# KiCad board H3.kicad_pcb (continued)
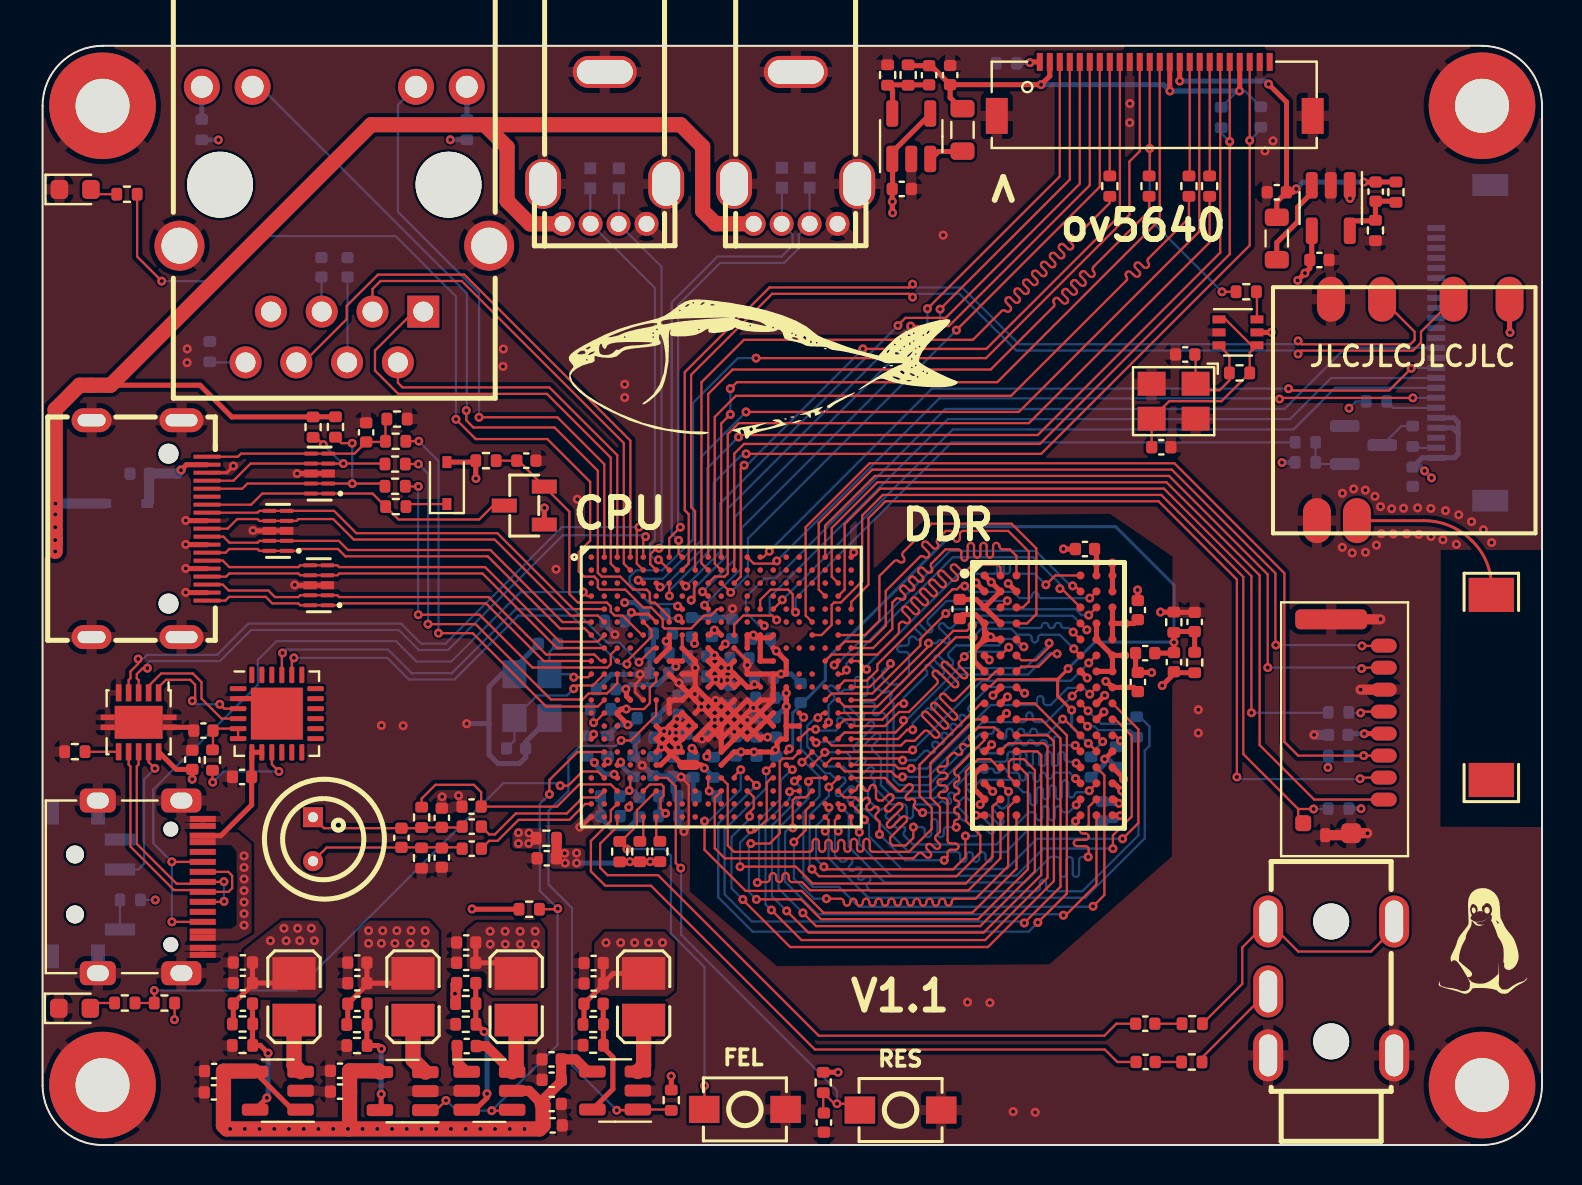
[diagram p0: board, top side]
## Footprints (pads in the part's own frame, mm; a bottom-side part is the same pattern mirrored in y, then rotated) (continued)
SW-SMD_L4.0-W2.9-LS5.0
  rect 1.53x1.36 smd: 1(-2.035,0) 2(2.035,0)
SW-TH_MSK12C02
  round 0.9 hole 0.9 unplated: (-1.43,0) (1.57,0)
  rect 0.6x1.524 smd: 1(-2.18,2.25) 2(0.82,2.25) 3(2.32,2.25)
  rect 1.2x0.7 smd: 4(-3.53,-1.15) 4(-3.53,1.15) 4(3.67,-1.15) 4(3.67,1.15)
TF-SOCKET - short
  oval 1.3x0.7 smd: 1(-3.231,3.518) 2(-3.231,2.418) 3(-3.231,1.318) 4(-3.231,0.218) 5(-3.231,-0.882) 6(-3.231,-1.982) 7(-3.231,-3.082) 8(-3.231,-4.182)
  rrect 0.8x0.8 smd: 9(0.8,4.7)
  rrect 1x1 smd: 10(-1.6,5.2)
  rrect 3.6x1 smd: 10(-0.6,-5.5)
  rrect 0.5x0.7 smd: 10(-0.3,5.3)
typec 12
  round 0.75 hole 0.75 unplated: (-2.634,1.681) (3.146,1.681)
  rrect 1.2x2 hole 0.8x1.1: 0(-4.064,2.211) 0(4.576,2.211)
  rrect 1.2x1.8 hole 0.8x1.1: 0(-4.064,-1.969) 0(4.576,-1.969)
  rect 0.3x1.3 smd: A1(-3.144,3.279) A4(-2.304,3.279) A5(-0.994,3.279) A6(0.006,3.279) A7(0.506,3.279) A8(1.506,3.279) A9(2.806,3.279) A12(3.658,3.279) B1(3.306,3.279) B4(2.496,3.279) B5(2.006,3.279) B6(1.006,3.279) B7(-0.494,3.279) B8(-1.494,3.279) B9(-1.984,3.279) B12(-2.794,3.279)
unnamed
  round 5.334 hole 2.7: 2(0.002,0.012)
unnamed#2
  round 5.334 hole 2.7: 2(-0.02,-0.149)
unnamed#3
  round 5.334 hole 2.7: 2(0.043,0.18)
unnamed#4
  round 5.334 hole 2.7: 2(-0.06,0.091)
USB-A-TH_USB-M-45
  round 1.2 hole 0.8: 1(2.098,3.8) 2(0.699,3.8) 3(-0.698,3.8) 4(-2.098,3.8)
  oval 1.8x2.5 hole 1.4x2.2: 5(-3.081,1.801) 7(3.081,1.801)
  oval 3.2x1.6 hole 2.8x1.2: 6(-0.01,-3.8)
USB-WIFI-ANT
  oval 2.254x1.4 smd: 1(-5.512,-3.598) 2(-5.512,-1.042) 3(-5.512,2.534) 4(-5.512,5.334) 5(5.569,-2.298) 6(5.569,-4.298)
VSON-10-1EP_3x3mm_P0.5mm_EP1.65x2.4mm
  rect 0.64x0.64 smd: (-0.443,0.79) (-0.443,-0.01) (-0.443,-0.81) (0.383,0.79) (0.383,-0.01) (0.383,-0.81)
  rect 0.85x0.28 smd: 1(-1.505,0.99) 2(-1.505,0.49) 3(-1.505,-0.01) 4(-1.505,-0.51) 5(-1.505,-1.01) 6(1.445,-1.01) 7(1.445,-0.51) 8(1.445,-0.01) 9(1.445,0.49) 10(1.445,0.99)
  rect 0.28x0.7 smd: 11(-0.28,1.54) 11(-0.28,-1.56) 11(0.22,1.54) 11(0.22,-1.56)
  rect 1.65x2.4 smd: 11(-0.03,-0.01)
X322512MSB4S
  rect 1.4x1.2 smd: 1(-1.1,-0.875) 2(-1.1,0.875) 2(1.1,-0.875) 3(1.1,0.875)

## Nets
+3V3: 4.7K1.2 C26.2 C27.2 C32.1 C36.1 C45.2 C47.1 C49.1 C68.1 C72.1 C83.1 C87.1 C88.1 D3.2 F2.20 F2.21 F2.24 L1.2 Q2.1 R17.1 R18.1 R19.1 R23.1 R30.2 R32.1 R34.1 R42.1 R43.1 R47.1 R62.1 R71.1 R72.1 U1.G7 U1.G10 U1.G11 U1.G13 U1.G14 U1.G15 U1.H7 U1.H13 U1.H14 U1.J6 U1.J14 U1.J15 U6.10 U9.4 U11.5 U12.1 U12.4 U13.1 U13.4 U14.4
/PER/1.5V: C82.1 C85.1 F1.15 L5.1 R51.1
/PER/2.8V: C84.1 C86.1 F1.2 F1.14 F1.21 L6.1 R54.1 R55.1 R58.1
GND: C1.2 C2.2 C3.1 C4.1 C6.2 C7.1 C8.1 C9.1 C10.1 C11.1 C12.1 C13.1 C14.1 C15.1 C16.1 C17.1 C18.1 C19.1 C20.1 C21.1 C22.1 C23.1 C24.1 C25.1 C26.1 C27.1 C28.1 C29.1 C30.1 C31.1 C32.2 C33.2 C34.2 C35.1 C36.2 C37.2 C38.2 C39.2 C40.2 C41.2 C42.2 C43.2 C44.1 C47.2 C48.2 C49.2 C50.2 C51.2 C52.2 C56.2 C57.2 C58.2 C59.2 C60.2 C61.2 C67.2 C68.2 C71.2 C72.2 C75.2 C76.1 C77.1 C78.2 C80.1 C81.1 C82.2 C83.2 C84.2 C87.2 C88.2 C89.2 C90.2 C91.1 C92.1 C93.2 D1.1 D2.1 D4.3 D4.8 D5.3 D5.8 D6.3 D6.8 D7.1 D9.1 D10.1 D11.1 DU1.A9 DU1.B1 DU1.B3 DU1.B9 DU1.D1 DU1.D8 DU1.E1 DU1.E2 DU1.E8 DU1.F9 DU1.G1 DU1.G8 DU1.G9 DU1.J2 DU1.J8 DU1.M1 DU1.M9 DU1.P1 DU1.P9 DU1.T1 DU1.T9 F1.0 F1.10 F1.23 F2.0 F2.1 F2.2 F2.5 F2.6 F2.7 F2.8 F2.9 F2.10 F2.11 F2.12 F2.14 F2.22 HDMI1.2 HDMI1.5 HDMI1.8 HDMI1.11 HDMI1.17 HDMI1.20 J1.2 J2.SH1 J2.SH2 NOREF.2 NOREF#2.2 NOREF#3.2 NOREF#4.2 Q1.2 R1.2 R2.2 R3.2 R6.2 R7.1 R9.1 R13.1 R14.1 R20.2 R22.2 R25.2 R27.2 R37.2 R38.2 R46.2 R60.2 R61.2 R67.1 R70.1 SW1.2 SW2.3 SW2.4 SW3.2 U1.A21 U1.AA1 U1.G8 U1.H8 U1.H12 U1.H15 U1.J9 U1.J13 U1.J16 U1.K7 U1.K8 U1.K9 U1.K13 U1.K14 U1.K15 U1.K16 U1.L8 U1.L9 U1.L15 U1.M5 U1.M7 U1.M8 U1.M9 U1.M10 U1.M11 U1.M12 U1.M13 U1.M14 U1.M15 U1.N7 U1.N9 U1.N10 U1.N11 U1.N12 U1.N13 U1.N14 U1.N15 U1.P10 U1.P11 U1.P12 U1.P13 U1.P14 U1.P15 U1.R9 U1.R10 U1.R11 U1.R12 U1.R13 U1.R14 U1.T11 U2.2 U3.2 U4.2 U5.2 U6.5 U6.11 U7.0 U7.A1 U7.A12 U7.B1 U7.B12 U9.6 U9.10 U10.2 U10.25 U11.2 U12.2 U13.2 U14.1 U14.6 USB1.4 USB1.5 USB1.6 USB1.7 USB2.4 USB2.5 USB2.6 USB2.7 Y1.2 Y2.2
GNDA: R7.2 U1.U3
VCC_CPUS: C15.2 C38.1 U1.J7 U1.J8 U1.M4
VCC_IN: C40.1 C41.1 C42.1 C43.1 C51.1 C52.1 C57.1 C59.1 C71.1 D8.2 R66.1 R68.1 U2.1 U2.4 U3.4 U4.4 U5.5 U7.A4 U7.A9 U7.B4 U7.B9 U10.7 U10.8 USB1.1 USB2.1
VDD1V1_EPHY: R28.2 U1.F8
VDD3V3_AV: C35.2 C37.1 C44.2 R10.1 R11.1 R12.1 R15.1 R16.1 R18.2 R31.1 U1.G9 U1.K6 U1.N3 U1.V3
VDD_CPUFB: C53.1 R8.1 R24.1 U1.T10
VDD_CPUX: C16.2 C17.2 C18.2 C19.2 C20.2 C60.1 C61.1 L4.2 R8.2 U1.N8 U1.P6 U1.P7 U1.P8 U1.P9 U1.R6 U1.R7 U1.R8 U1.T6 U1.T7 U1.T8 U1.U6 U1.U9
VDD_DRAM: C3.2 C4.2 C5.1 C7.2 C8.2 C9.2 C10.2 C11.2 C12.2 C13.2 C14.2 C46.2 C48.1 C50.1 DU1.A1 DU1.A8 DU1.B2 DU1.C1 DU1.C9 DU1.D2 DU1.D9 DU1.E9 DU1.F1 DU1.G7 DU1.H2 DU1.H9 DU1.K2 DU1.K8 DU1.N1 DU1.N9 DU1.R1 DU1.R9 L2.2 R5.1 R21.1 U1.L16 U1.M16 U1.N16 U1.P16 U1.P17 U1.R16 U1.T12 U1.T13 U1.T14 U1.T15 U1.U11
VDD_SYSTEM: C21.2 C22.2 C23.2 C24.2 C25.2 C55.2 C56.1 C58.1 L3.2 R26.1 R28.1 U1.H10 U1.J10 U1.J11 U1.J12 U1.K10 U1.K11 U1.K12 U1.L10 U1.L11 U1.L12 U1.L13 U1.L14
/DRAM/SA0: DU1.N3 U1.T17
/DRAM/SA1: DU1.P7 U1.U18
/DRAM/SA2: DU1.P3 U1.V19
/DRAM/SA3: DU1.N2 U1.V20
/DRAM/SA4: DU1.P8 U1.V21
/DRAM/SA5: DU1.P2 U1.Y19
/DRAM/SA6: DU1.R8 U1.Y20
/DRAM/SA7: DU1.R2 U1.V15
/DRAM/SA8: DU1.T8 U1.W18
/DRAM/SA9: DU1.R3 U1.Y18
/DRAM/SA10: DU1.L7 U1.P19
/DRAM/SA11: DU1.R7 U1.N19
/DRAM/SA12: DU1.N7 U1.R18
/DRAM/SA13: DU1.T3 U1.V12
/DRAM/SA14: DU1.T7 U1.N17
/DRAM/SA15: DU1.M7 U1.R17
/DRAM/SBA0: DU1.M2 U1.W17
/DRAM/SBA1: DU1.N8 U1.T18
/DRAM/SBA2: DU1.M3 U1.V17
/DRAM/SCAS: DU1.K3 U1.U15
/DRAM/SCK_N: DU1.K7 R4.2 U1.AA20
/DRAM/SCK_P: DU1.J7 R4.1 U1.AA19
/DRAM/SCKE0: DU1.K9 U1.AA21
/DRAM/SCKE1: DU1.J9 U1.Y21
/DRAM/SCS0: DU1.L2 U1.W20
/DRAM/SCS1: DU1.L1 U1.W21
/DRAM/SDQ0: DU1.F7 U1.N20
/DRAM/SDQ1: DU1.F2 U1.P21
/DRAM/SDQ2: DU1.E3 U1.P20
/DRAM/SDQ3: DU1.H8 U1.U21
/DRAM/SDQ4: DU1.G2 U1.R19
/DRAM/SDQ5: DU1.F8 U1.T20
/DRAM/SDQ6: DU1.H3 U1.U19
/DRAM/SDQ7: DU1.H7 U1.U20
/DRAM/SDQ8: DU1.A2 U1.J19
/DRAM/SDQ9: DU1.C3 U1.H20
/DRAM/SDQ10: DU1.A3 U1.H21
/DRAM/SDQ11: DU1.A7 U1.J21
/DRAM/SDQ12: DU1.B8 U1.L20
/DRAM/SDQ13: DU1.C2 U1.L21
/DRAM/SDQ14: DU1.D7 U1.M21
/DRAM/SDQ15: DU1.C8 U1.M19
/DRAM/SDQM0: DU1.E7 U1.M20
/DRAM/SDQM1: DU1.D3 U1.G20
/DRAM/SDQS0_N: DU1.G3 U1.R21
/DRAM/SDQS0_P: DU1.F3 U1.R20
/DRAM/SDQS1_N: DU1.B7 U1.J20
/DRAM/SDQS1_P: DU1.C7 U1.K20
/DRAM/SODT0: DU1.K1 U1.W11
/DRAM/SODT1: DU1.J1 U1.V11
/DRAM/SRAS: DU1.J3 U1.V13
/DRAM/SRST: DU1.T2 U1.U16
/DRAM/SVREF: C1.1 C2.1 C5.2 C6.1 DU1.H1 DU1.M8 R5.2 R6.1 U1.T16
/DRAM/SWE: DU1.L3 U1.W13
/PER/CP_D+: U6.1 U10.3
/PER/CP_D-: U6.2 U10.4
/PER/D+: U6.8 U7.A6 U7.B6
/PER/D-: U6.7 U7.A7 U7.B7
/PER/TFT_IM: 4.7K1.1 F2.19
/PER/TFT_LEDK: F2.23 R50.2
/PER/USB_SWITCH: SW2.2 U6.9
CSI-RESET#: F1.19 U1.C6
CSI-STBY-EN: F1.17 U1.C5
CSI_D0: F1.6 U1.C9
CSI_D1: F1.4 U1.E10
CSI_D2: F1.3 U1.D10
CSI_D3: F1.5 U1.C8
CSI_D4: F1.7 U1.C11
CSI_D5: F1.9 U1.C12
CSI_D6: F1.11 U1.E8
CSI_D7: F1.13 U1.A11
CSI_HSYNC: R57.1 U1.B11
CSI_MCLK: R52.1 U1.A10
CSI_PCLK: R53.1 U1.B10
CSI_SCK: F1.20 R55.2 U1.B12
CSI_SDA: F1.22 R54.2 U1.C7
CSI_VSYNC: R56.1 U1.C10
EPHY_LINK_LED: J2.10 U1.A2
EPHY_RXN: J2.6 U1.A4
EPHY_RXP: J2.3 U1.B4
EPHY_SPD_LED: J2.11 U1.F7
EPHY_TXN: J2.2 U1.A3
EPHY_TXP: J2.1 U1.B3
GPIOA7: U1.D8
GPIOA8: U1.F13
GPIOA9: U1.D13
GPIOA17: U1.C14
GPIOA20: F2.18 U1.A13
GPIOA21: F2.15 U1.A14
GPIOC4: U1.F16
GPIOC7: U1.A16
GPIOD14: U1.L17
GPIOG10: U1.M3
GPIOG11: U1.D2
GPIOG13: U1.B1
HCEC: C89.1 Q2.2 R62.2 U1.G5
HHPD: R63.1 U1.M2
HSCL: R64.1 U1.H3
HSDA: R65.1 U1.K3
HTX0N: D5.2 D5.9 HDMI1.9 U1.F1
HTX0P: D5.1 D5.10 HDMI1.7 U1.G1
HTX1N: D4.5 D4.6 HDMI1.6 U1.G2
HTX1P: D4.4 D4.7 HDMI1.4 U1.H2
HTX2N: D4.2 D4.9 HDMI1.3 U1.J2
HTX2P: D4.1 D4.10 HDMI1.1 U1.J1
HTXCN: D5.5 D5.6 HDMI1.12 U1.E2
HTXCP: D5.4 D5.7 HDMI1.10 U1.F2
LINEOUTL: C62.1 U1.AA3
LINEOUTR: C63.1 U1.Y3
MBIAS: C75.1 R45.1 U1.W3
MICIN1N: C74.1 U1.Y1
MICIN1P: C73.1 U1.W2
PWM1: R48.1 U1.E14
PWR_DRAM: R17.2 U1.M6 U3.1
PWR_LED: R30.1 R35.1 U1.V2
PWR_STB: R23.2 U1.T2 U4.1 U5.4
REST: C67.1 R32.2 SW1.1 U1.V6
SDC0_CD: R43.2 U1.G18 U9.9
SDC0_CLK: R41.1 U1.D20
SDC0_CMD: R42.2 U1.F18 U9.3
SDC0_D0: U1.A19 U9.7
SDC0_D1: U1.D19 U9.8
SDC0_D2: U1.C20 U9.1
SDC0_D3: U1.E21 U9.2
SDC1_CLK: U1.J3
SDC1_CMD: U1.L2
SDC1_D0: U1.H4
SDC1_D1: U1.F3
SDC1_D2: U1.C2
SDC1_D3: U1.C1
SPI0_CLK: U1.B16
SPI0_CS: U1.B15
SPI0_MISO: U1.C16
SPI0_MOSI: U1.C15
STATUS-LED: R36.1 U1.E11
TWI0_SCK: U1.F11
TWI0_SDA: U1.C13
TWI1_SCK: U1.B13
TWI2_SDA: U1.B14
UART0_RX: U1.H6 U10.21
UART0_TX: U1.F5 U10.20
UART1_CTS: U1.E3
UART1_RTS: U1.C3
UART1_RX: U1.D3
UART1_TX: U1.G4
UART3_CTS/SPI1_MISO: U1.D15
UART3_RTS/SPI1_MOSI: F2.13 U1.F14
UART3_RX/SPI1_CLK: F2.16 U1.G12
UART3_TX/SPI1_CS: F2.17 U1.E15
UBOOT: R31.2 SW3.1 U1.W6
USB0_ID: U1.D1 U7.A5 U7.B5
USB_0N: U1.B5 U6.4
USB_0P: U1.A5 U6.3
USB_1N: D11.2 U1.B7 USB2.2
USB_1P: D10.2 U1.B6 USB2.3
USB_2N: D7.2 U1.A8 USB1.2
USB_2P: D9.2 U1.A7 USB1.3
USB_3N: U1.B9 U14.3
USB_3P: U1.B8 U14.2
X24MI: C33.1 U1.K2 Y1.1
X24MO: C39.1 U1.K1 Y1.3
Net-(A1-Pad2): A1.2 U14.5
Net-(C28-Pad2): C28.2 U1.Y4
Net-(C29-Pad2): C29.2 R14.2 U1.W5
Net-(C30-Pad2): C30.2 C31.2 U1.V4
Net-(C34-Pad1): C34.1 U1.H11
Net-(C45-Pad1): C45.1 R19.2 R20.1 U2.5
Net-(C46-Pad1): C46.1 R21.2 R22.1 U3.5
Net-(C53-Pad2): C53.2 R24.2 R25.1 U5.3
Net-(C54-Pad1): C54.1 U5.1
Net-(C54-Pad2): C54.2 L4.1 U5.6
Net-(C55-Pad1): C55.1 R26.2 R27.1 U4.5
Net-(C62-Pad2): C62.2 R29.1
Net-(C63-Pad2): C63.2 R33.1
Net-(C73-Pad2): C73.2 C77.2 C79.1 MIC1.1 R45.2
Net-(C74-Pad2): C74.2 C78.1 C79.2 MIC1.2 R46.1
Net-(C76-Pad2): C76.2 R44.1 U10.5 U10.6
Net-(C80-Pad2): C80.2 R49.2 U11.3 Y2.1
Net-(C81-Pad2): C81.2 R49.1 U11.1 U11.4 Y2.3
Net-(C85-Pad2): C85.2 R51.2 R60.1 U12.5
Net-(C86-Pad2): C86.2 R58.2 R61.1 U13.5
Net-(C90-Pad1): C90.1 D6.5 D6.6 HDMI1.19 R63.2 R67.2
Net-(C91-Pad2): C91.2 J2.5
Net-(C92-Pad2): C92.2 J2.4
Net-(C93-Pad1): C93.1 D8.1 HDMI1.18
Net-(D1-Pad2): D1.2 R36.2
Net-(D2-Pad2): D2.2 R35.2
Net-(D3-Pad1): D3.1 R69.1
Net-(D6-Pad1): D6.1 D6.10 HDMI1.13 Q2.3 R69.2
Net-(D6-Pad2): D6.2 D6.9 HDMI1.15 R64.2 R66.2
Net-(D6-Pad4): D6.4 D6.7 HDMI1.16 R65.2 R68.2
Net-(DU1-PadL8): DU1.L8 R2.1
Net-(DU1-PadL9): DU1.L9 R3.1
Net-(F1-Pad1): F1.1 R37.1
Net-(F1-Pad8): F1.8 R53.2
Net-(F1-Pad12): F1.12 R52.2 R59.2
Net-(F1-Pad16): F1.16 R57.2
Net-(F1-Pad18): F1.18 R56.2
Net-(J1-Pad3): J1.3 R33.2
Net-(J1-Pad4): J1.4 R29.2
Net-(J2-Pad8): J2.8 R70.2
Net-(J2-Pad9): J2.9 R71.2
Net-(J2-Pad12): J2.12 R72.2
Net-(L1-Pad1): L1.1 U2.3
Net-(L2-Pad1): L2.1 U3.3
Net-(L3-Pad1): L3.1 U4.3
Net-(L5-Pad2): L5.2 U12.3
Net-(L6-Pad2): L6.2 U13.3
Net-(Q1-Pad1): Q1.1 R47.2 R48.2
Net-(Q1-Pad3): Q1.3 R50.1
Net-(R1-Pad1): R1.1 U1.V10
Net-(R9-Pad2): R9.2 U1.T9
Net-(R10-Pad2): R10.2 U1.R1
Net-(R11-Pad2): R11.2 U1.N2
Net-(R12-Pad2): R12.2 U1.U2
Net-(R13-Pad2): R13.2 U1.F6
Net-(R15-Pad2): R15.2 U1.AA6
Net-(R16-Pad2): R16.2 U1.AA5
Net-(R34-Pad2): R34.2 SW2.1
Net-(R38-Pad1): R38.1 U6.6
Net-(R41-Pad2): R41.2 U9.5
Net-(R44-Pad2): R44.2 U10.9
Net-(R59-Pad1): R59.1 U11.6

Pads without a net: A1 1; F1 24; F2 3 4; HDMI1 14; J2 7; U1 A1 A17 A20 AA2 AA8 AA9 AA11 AA12 AA14 AA15 AA17 AA18 B2 B17 B18 B19 B20 B21 C17 C18 C19 C21 D5 D6 D11 D17 E13 E16 E18 E19 E20 F10 F17 F19 F20 F21 H16 H17 H18 H19 K4 K17 K18 L5 L18 L19 M1 N1 P2 P3 R2 T3 T4 T5 U4 V1 V5 W1 W9 W12 W15 Y2 Y7 Y8 Y9 Y10 Y11 Y12 Y13 Y14 Y15 Y16 Y17; U7 A8 B8; U10 1 10 11 12 13 14 15 16 17 18 19 22 23 24

## Via types
v1: diameter 0.45, hole 0.2, Top to Bottom, 467 vias

## Routing (per net, layer and track width the routed paths; a pad name or vN(x,y) marks a point on that pad's centre or on a via; arc(x,y) is an arc through that point)
+3V3: length 51.5
  Top w0.114: R30.2 6.61,6.28 v1(6.6,6.27) ; 65.39,48.51 v1(65.39,47.36)
  Top w0.254: C49.1 C47.1 ; C47.1 10.5,8.04 C45.2 9.54,6.1 R19.1 ; C47.1 12.09,8.1 L1.2 ; U1.H13 U1.G13 v1(35.55,25.52) 35.69,25.38 36.41,25.38 U1.G15 ; U12.4 63.48,44.38 C87.1 63.39,43.87 v1(63.14,43.63) v1(62.78,43.26) ; 60.73,40.66 61.45,40.66 ; R23.1 21.5,11.8 v1(21.48,11.81) ; 31.34,25.06 v1(31.19,25.21) 31.31,25.21 ; D3.2 21.6,34.17 R62.1 21.67,33.36 v1(21.67,33.35) ; U1.J6 U1.H7 31.34,25.52 ; U1.G11 33.7,25.77 v1(33.61,25.77) 33.36,25.52 ; v1(42.52,46.64) 42.5,46.65 v1(42.5,47.2) 42.5,47.21 C88.1 42.52,47.86 42.52,49.7 44.42,51.6 ; v1(73.4,40.66) 73.38,40.68 U14.4 ; U6.10 6.68,18.8 C68.1 7.49,18.31 v1(7.49,18.3) ; v1(39.79,3.64) 39.05,3.64 R32.1 ; v1(66.11,20.58) 66.11,20.59 U9.4 ; U1.G14 U1.J14 U1.J15 ; v1(31.44,3.45) 31.45,3.44 R17.1 ; Q2.1 25.09,31.88 v1(25.1,31.88)
  Bottom w0.114: v1(65.35,36.87) 65.68,37.21 4.7K1.2 ; R34.1 v1(5.64,12.26)
  Bottom w0.25: C32.1 35.55,25.43 v1(35.55,25.52) ; v1(33.61,25.77) 33.61,25.56 C27.2
  Bottom w0.254: 70.81,35.61 70.81,36.18 70.59,36.39 69.72,36.39 ; 70.81,35.61 70.81,34.58 70.62,34.39 69.72,34.39 ; 70.81,35.61 70.52,35.89 69.72,35.89 ; R72.1 8.79,50.29 v1(8.79,50.29) ; C36.1 31.19,24.76 v1(31.19,25.21) 31.51,25.53 C26.2 ; R43.1 65.34,16.83 v1(65.95,16.83) ; v1(69.47,33.38) v1(69.12,33.73) 68.94,33.92 C83.1 69,34.39 F2.24 ; v1(64.29,18.89) 64.31,18.91 R42.1 ; C72.1 65.35,20.58 v1(66.11,20.58) ; R71.1 20.4,50.29 ; v1(61.99,34.15) 62,34.16 R47.1
  vias: v1(11.4,10.22) v1(12.07,10.85) v1(12.18,10.22) v1(12.76,10.85) v1(12.87,10.22) v1(13.44,10.85) v1(13.59,10.22) v1(20.39,50.3) v1(23.8,15.63) v1(23.81,15.08) v1(24.33,15.61) v1(24.32,15.09) v1(61.46,40.67)
/PER/1.5V: length 18.4
  Top w0.25: v1(61.32,53.09) 62.22,52.19 62.22,47.68 C82.1 ; v1(56.88,53.24) 56.88,54.19 F1.15
  Top w0.254: v1(66.08,48.18) 66.67,48.18 C85.1 R51.1 ; v1(62.71,47.84) 62.53,47.67 C82.1 ; C82.1 61.73,47.19 L5.1 ; C82.1 62.22,47.68
  Bottom w0.25: v1(61.32,53.09) 61.17,53.24 v1(56.88,53.24)
  Bottom w0.254: v1(62.71,47.84) 63.04,48.18 66.08,48.18 v1(66.08,48.18)
/PER/2.8V: length 25.5
  Top w0.254: v1(56.39,52.74) 56.38,52.75 F1.14 ; C84.1 45.4,52.41 45.99,51.82 ; C84.1 44.45,54.01 43.32,54.01 43.27,54.06 ; C84.1 v1(49.95,53.06) 50.38,53.49 F1.2 ; v1(59.86,52.74) 59.88,52.76 F1.21
  Bottom w0.114: R54.1 60.14,52.74 v1(59.86,52.74) 59.77,52.74 R55.1
  Bottom w0.254: v1(49.95,53.06) 56.07,53.06 v1(56.39,52.74) 59.86,52.74 v1(59.86,52.74)
GND: length 140.5
  Top w0.114: v1(40.57,29.66) 40.57,29.54 U1.A21 ; v1(29.89,23.55) 29.89,23.3 29.65,23.06 29.65,22.65 30.03,22.27 U1.M5 ; 32.28,15.91 32.08,15.72 v1(32.08,15.68) 32.15,15.68 32.32,15.86 32.32,18.02 31.94,18.4 v1(31.94,18.42)
  Top w0.152: U1.G8 U1.H8 ; v1(26.87,15.91) 26.94,15.91 U1.AA1 ; U1.H12 U1.J13 ; 31.34,22.27 U1.M7 ; HDMI1.17 9.22,33.64 9.54,33.97 ; v1(9.54,33.98) 9.54,33.94
  Top w0.25: v1(36.27,20.41) 35.99,20.41 U1.R14 ; C10.1 45.87,26.4 46.01,26.54 46.67,26.54 DU1.D1
  Top w0.254: HDMI1.8 7.17,30.04 ; v1(46.69,28.13) 46.69,28.12 DU1.B1 ; U1.L9 U1.M8 31.68,22.27 31.65,22.3 31.62,22.27 U1.M7 ; U1.L9 v1(32.63,22.57) U1.M9 ; U1.L9 U1.K9 ; U1.L9 U1.M10 ; DU1.E2 47.55,25.3 v1(47.43,25.42) ; U1.M10 U1.P12 U1.R13 U1.P14 U1.N15 ; U1.M10 v1(32.95,21.92) U1.N9 ; U1.P10 U1.R11 U1.M14 ; U1.P10 U1.R9 v1(32.97,20.32) U1.R10 U1.P11 ; U1.P10 U1.M12 ; HDMI1.2 7.17,27.64 ; U1.N7 31.34,22.27 ; U1.K9 U1.K8 U1.K9 ; U1.K9 v1(32.65,23.88) U1.J9 U1.H8 ; DU1.B3 48.7,27.7 v1(48.3,28.1) ; D4.3 D4.8 12.63,28.01 v1(12.61,28.02) ; v1(47.43,25.42) 47.11,25.73 ; v1(47.43,25.42) 47.3,25.3 DU1.E1 ; DU1.B9 DU1.A9 53.51,29.11 v1(53.5,29.12) ; v1(51.06,29.83) 51.07,29.82 C8.1 ; D5.3 D5.8 10.54,30.73 v1(10.52,30.75) ; DU1.M1 47.13,19.7 v1(47.47,20.03) ; DU1.J8 52.72,22.1 v1(53.13,22.5) ; DU1.J2 48.24,22.43 v1(48.26,22.43) ; C2.2 54.67,23.76 C14.1 55.47,23.65 v1(55.47,23.64) ; 53.51,16.49 53.89,16.49 v1(53.9,16.48) ; U1.R12 U1.M15 ; U1.R12 v1(34.6,20.68) ; U1.R12 U1.T11 U1.P11 ; U1.M15 U1.K15 ; U1.M15 35.95,22.27 v1(35.55,21.87) ; v1(33.67,22.25) 33.93,22.25 ; U1.H15 v1(36.7,24.72) U1.J16 U1.K16 v1(36.94,23.57) U1.K14 U1.K13 v1(35.25,24.02) U1.J13 ; U6.11 7.4,20.9 C76.1 ; U1.P11 U1.M13 U1.P15 ; U1.P11 U1.N10 ; v1(47.53,17.69) 47.52,17.69 DU1.P1 ; 53.51,19.69 53.13,19.31 v1(53.12,19.31) ; 65.36,15.5 U9.10 ; HDMI1.5 7.17,28.84 ; v1(55.92,26.67) 55.92,26.67 R6.2 56.6,26.65 C6.2 ; v1(7.16,31.25) 7.17,31.24 HDMI1.11 ; D6.3 D6.8 12.73,33.6 v1(12.73,33.6) ; DU1.D8 DU1.E8 DU1.F9 ; DU1.F9 54.12,24.5 v1(54.13,24.49) ; DU1.F9 DU1.G9 DU1.G8 ; U1.N10 33.3,21.61 v1(33.62,21.28) ; U1.N10 U1.M11 U1.P13 U1.R14 ; U1.N10 U1.M9 ; v1(54.77,27.77) 54.78,27.76 C4.1 ; v1(46.68,16.5) 47.11,16.5 ; 65.92,22.79 v1(65.92,22.78) ; U10.2 10.97,22.34 U10.25 ; 66.26,15.6 v1(66.27,15.59) ; DU1.E1 46.59,24.78 46.59,24.22 DU1.G1 ; DU1.E1 DU1.D1 ; U1.M9 U1.L8 31.83,23.08 v1(31.83,23.12) 31.79,23.12 U1.K7 ; 53.53,18.11 53.58,18.11 v1(53.98,17.72)
  Top w0.508: U9.10 66.26,15.6 ; U9.10 66.92,26.3 ; U9.10 65.36,15.5 ; U9.6 65.92,22.79
  Bottom w0.25: v1(53.9,16.48) 53.65,16.23 C12.1
  Bottom w0.254: C20.1 31.91,18.45 v1(31.94,18.42) 31.95,18.4 R9.1 32.55,17.6 R1.2 ; C20.1 31.53,17.7 C29.1 31.78,16.5 R14.1 31.82,15.94 v1(32.08,15.68) ; C20.1 31.5,18.48 C18.1 30.03,18.99 v1(29.99,18.99) 29.99,19.02 R7.1 ; v1(35.25,21.27) 35.56,21.27 C11.1 ; v1(21.22,21.08) 21.22,21.09 22.33,21.09 ; C19.1 32.97,20.37 v1(32.97,20.32) ; v1(36.7,24.72) 36.7,24.76 36.42,25.03 C32.2 ; 22.33,21.09 22.33,19.53 22.78,19.08 23.85,19.08 24.17,19.4 C33.2 24.17,20.18 Y1.2 ; 22.33,21.09 22.33,22.93 22.96,23.56 Y1.2 23.6,23.88 C39.2 ; C28.1 27.93,16.37 28.46,15.83 29.26,15.83 29.85,16.42 C31.1 ; C28.1 27.9,16.48 C30.1 ; C28.1 27.42,16.46 v1(26.87,15.91) ; C26.1 30.55,24.79 C36.2 30.38,23.64 C38.2 29.95,23.62 v1(29.89,23.55) 28.45,23.55 C15.1 ; C23.1 35.34,24.11 v1(35.25,24.02) ; C21.1 32.26,24.26 v1(32.65,23.88) ; C37.2 33.47,26.39 C27.1 34.41,26.4 C34.2 34.5,26.82 v1(34.51,26.84) ; C35.1 30.7,21.41 C17.1 ; v1(34.6,20.68) 34.6,20.5 C3.1 35.7,20.42 C7.1 v1(36.27,20.41) 36.69,20.41 C9.1 ; v1(31.83,23.12) 31.93,23.12 C22.1 ; R2.2 53.12,19.08 v1(53.12,19.31) 53.3,19.31 R3.2 ; C24.1 36.75,23.57 v1(36.94,23.57) 37.44,23.57 C1.2 ; R13.1 28.11,26.06 v1(28.63,25.55) ; C16.1 29.63,19.51 ; 63.6,20.53 v1(63.6,20.52)
  Bottom w0.508: C72.2 63.6,20.53
  vias: v1(7.16,30.05) v1(7.16,28.85) v1(7.16,27.65) v1(7.24,39.84) v1(7.23,39.15) v1(16.95,20.99) v1(18.03,20.98) v1(19.98,17.43) v1(20.81,17.48) v1(23.05,39.83) v1(23.03,38.96) v1(25.68,28.81) v1(26.75,32.31) v1(29.12,38.07) v1(29.12,37.4) v1(45.05,45.53) v1(46.26,7.15) v1(47.38,7.12) v1(48.55,1.67) v1(49.65,1.64) v1(54.39,52.11) v1(54.38,51.15) v1(57.81,21.78) v1(57.81,20.62) v1(61.14,49.74) v1(61.54,50.24) v1(65.02,32.61) v1(65.01,29.91) v1(65.51,29.63) v1(65.58,32.83) v1(66.16,32.77) v1(66.17,29.66) v1(66.64,32.46) v1(66.72,30.02) v1(66.92,31.94) v1(66.96,30.59) v1(66.93,26.31) v1(67.48,31.84) v1(67.56,30.58) v1(68.08,31.86) v1(68.23,30.59) v1(68.78,31.88) v1(68.83,30.55) v1(69.44,31.85) v1(69.45,30.45) v1(70.04,30.29) v1(70.17,31.74) v1(70.72,30.06) v1(70.83,31.53) v1(71.47,31.19) v1(72.07,30.78) v1(72.48,30.15)
GNDA: length 1.2
  Top w0.254: v1(28.92,19.16) 28.78,19.02 U1.U3
  Bottom w0.254: 29.54,18.41 28.92,19.04 v1(28.92,19.16)
VCC_CPUS: length 5.1
  Top w0.254: v1(29.17,22.82) 29.2,22.78 29.2,22.46 U1.M4 ; U1.J7 U1.J8 ; v1(31.68,23.95) 31.68,24.04 31.5,24.22
  Bottom w0.254: v1(31.68,23.95) 31.65,23.95 C38.1 31.32,23.61 30.74,23.03 29.39,23.03 v1(29.17,22.82) 29.17,22.81 C15.2
VCC_IN: length 173.9
  Top w0.254: U10.8 U10.7 10.47,18.43 ; U2.1 12.5,1.77 10.63,3.64 U2.4 ; C71.1 10.46,17.02 8.92,15.48 U7.A4 ; R66.1 13.54,36.44 R68.1 9.46,36.43 7.88,38.02 2.41,38.02
  Top w0.508: U3.4 27.27,3.68 26.66,4.29 C43.1 25.94,3.27 C41.1 25.94,3.18 24.99,2.22 C57.1 24.33,2.71 U5.5
  Top w0.762: 15.3,0.81 9.22,0.81 9.05,0.97 C40.1 9.05,3.69 ; 15.3,0.81 15.36,0.86 C51.1 C52.1 16.8,3.71 U4.4 ; 15.3,0.81 24.85,0.81 C59.1 25.03,2.01 C57.1 ; 22.11,51.05 23.23,49.93 23.23,47.24 24.38,46.09 USB2.1 ; 22.11,51.05 31.92,51.05 33.02,49.95 33.02,46.74 33.67,46.09 USB1.1 ; 22.11,51.05 16.43,51.05 3.4,38.02 1.85,38.02 0.63,36.8 v1(0.63,30.27) v1(0.63,29.7) ; C42.1 10.6,3.7
  POWER.Cu w0.762: v1(24.1,0.8) 7.97,0.8 7.62,1.16 7.62,5.34 10.08,7.8 v1(10.08,11) v1(10.08,14.47) 9.62,14.92 2.73,14.92 0.69,16.96 0.69,32.05
  Bottom w0.508: D8.2 0.65,32.1 v1(0.65,32.09) 0.63,32.08 v1(0.63,31.55) 0.63,31.55 v1(0.63,30.91)
  vias: v1(9.38,0.8) v1(10.08,13.89) v1(10.08,13.31) v1(10.08,12.73) v1(10.08,12.15) v1(10.08,11.58) v1(10.12,0.8) v1(10.85,0.8) v1(11.59,0.8) v1(12.33,0.8) v1(13.06,0.8) v1(13.8,0.8) v1(14.53,0.8) v1(15.27,0.8) v1(16.01,0.8) v1(16.74,0.8) v1(17.48,0.8) v1(18.22,0.8) v1(18.95,0.8) v1(19.69,0.8) v1(20.42,0.8) v1(21.16,0.8) v1(21.9,0.8) v1(22.63,0.8) v1(23.37,0.8)
VDD1V1_EPHY: length 1.1
  Top w0.114: v1(31.81,26.36) U1.F8
  Top w0.254: v1(31.81,26.36) 31.9,26.36
  Bottom w0.152: R28.2 31.35,26.36 v1(31.81,26.36)
VDD3V3_AV: length 21.5
  Top w0.114: U1.V3 28.59,18.53 v1(28.59,18.55) ; U1.K6 30.69,23.2 30.37,22.88 30.37,22.1 30.08,21.81 v1(29.2,21.81)
  Top w0.254: R15.1 30.39,14.18 v1(30.39,14.18) 29.88,14.18 R16.1 v1(29.38,14.17) 28.87,14.17 R31.1 ; v1(29.2,21.81) 28.94,21.81 U1.N3 28.75,21.56 v1(29.28,21.03) ; U1.G9 32.65,25.13 v1(32.61,25.1)
  Top w0.508: R18.2 25.71,14.37 C44.2
  POWER.Cu w0.254: 26.78,14.17 v1(26.71,14.11)
  POWER.Cu w0.508: v1(29.2,21.81) 30.74,23.36 30.74,23.87 31.97,25.1 v1(32.61,25.1)
  Bottom w0.254: 27.3,19.44 27.6,19.14 v1(27.6,19.14) 27.6,19.07 28.12,18.55 v1(28.59,18.55) ; C37.1 32.47,25.23 v1(32.61,25.1) ; R12.1 28.81,21.03 v1(29.28,21.03) 29.41,21.03 C35.2 ; v1(30.39,14.18) 30.39,14.17 v1(29.38,14.17) 29.31,14.11 v1(26.71,14.11) ; R11.1 29.18,21.8 v1(29.2,21.81)
  vias: v1(26.12,14.6) v1(26.14,14.11) v1(26.71,14.61)
VDD_CPUFB: length 1.7
  Top w0.254: v1(33.22,19.44) 33.3,19.51 U1.T10
  Top w0.508: R24.1 20.66,8.05 C53.1
  Bottom w0.254: R8.1 33.52,19.44 v1(33.22,19.44) 33.26,19.41 33.28,19.41
  vias: v1(20.63,7.57)
VDD_CPUX: length 21.6
  Top w0.254: L4.2 23.16,9.12 C60.1 C61.1 ; U1.R8 v1(31.68,20.63) U1.P7 ; U1.R8 32.32,20.64 ; U1.R8 31.8,20.12 v1(31.8,19.9) ; 31.81,19.21 32,19.02 ; U1.P6 U1.R7 31.76,19.9 v1(31.8,19.9) ; U1.T6 30.93,19.91 v1(30.95,19.91) 30.95,19.92 U1.P8 ; v1(31.8,19.9) 30.92,19.02 U1.U6 ; 32.32,20.64 U1.P9 32.32,21.29 ; 32.32,20.64 32,20.97 U1.P8 ; U1.T7 U1.R6 U1.N8 32.32,21.29 ; U1.T7 U1.T8 ; U1.T7 31.87,19.14 ; U1.U9 32.94,19.02 v1(33.1,18.86) ; U1.P8 32.32,21.29 ; U1.P8 31.74,21.23 v1(31.74,21.32) 31.7,21.32
  Top w0.508: 32,19.02 U1.U9
  Bottom w0.254: C17.2 31.82,21.4 v1(31.74,21.32) ; R8.2 33.56,18.41 v1(33.1,18.86) ; v1(30.95,19.91) 30.87,19.82 30.87,19.44 ; v1(31.8,19.9) 31.8,19.66 31.58,19.44 ; C19.2 32.19,20.63 v1(31.68,20.63) ; 30.59,20.35 30.95,20.71 v1(31.08,20.71)
  vias: v1(22.39,10.7) v1(22.39,10.05) v1(23.14,10.7) v1(23.14,10.05) v1(23.89,10.7) v1(23.9,10.05) v1(24.64,10.7) v1(24.65,10.05)
VDD_DRAM: length 35.1
  Top w0.25: R5.1 56.64,23.63 C5.1 56.59,23.58 v1(56,22.99) ; DU1.N1 46.96,18.9 46.61,18.55 46.61,17.8 DU1.R1
  Top w0.254: DU1.H2 47.91,22.88 v1(47.54,22.5) ; v1(47.35,24.27) 47.34,24.27 DU1.F1 ; v1(48.22,21.6) 48.21,21.6 DU1.K2 ; C48.1 28.55,8.59 L2.2 ; C48.1 C50.1 ; C48.1 28.04,8.02 C46.2 27.08,6.09 R21.1 ; DU1.D9 54.14,26.1 v1(54.15,26.09) 54.59,26.09 C4.2 ; DU1.G7 51.93,23.7 v1(52.25,23.37) ; 53.51,18.91 54.07,18.36 v1(54.07,18.31) ; U1.P16 U1.R16 36.92,20.32 36.74,20.13 36.74,19.86 v1(36.65,19.77) U1.T15 U1.T14 v1(35.59,19.67) U1.T13 34.94,19.67 v1(34.94,19.67) 34.93,19.67 U1.T12 33.95,19.02 U1.U11 ; U1.P16 37.84,20.97 U1.P17 ; U1.P16 U1.N16 v1(37.2,21.94) U1.M16 v1(37.2,22.61) U1.L16 ; C10.2 46.71,27.3 DU1.C1 ; DU1.R9 53.64,17.3 v1(53.84,17.1) ; v1(53.18,23.2) 53.21,23.2 DU1.H9 54.57,22.9 C14.2 ; DU1.D2 DU1.C1 ; DU1.C1 DU1.B2 v1(47.45,28.16) DU1.A1 ; DU1.R1 46.9,17.08 v1(46.9,17.04) ; C8.2 52.71,29.73 v1(52.71,29.13) DU1.A8 ; DU1.K8 52.72,21.3 v1(53.09,21.67) ; DU1.C9 DU1.E9
  Bottom w0.254: v1(37.2,22.61) 36.97,22.38 C13.2 ; v1(36.65,19.77) 36.69,19.73 C9.2 ; v1(34.94,19.67) 34.87,19.67 C3.2 ; v1(37.2,21.94) 36.66,21.41 C11.2 ; C12.2 53.1,17.1 v1(53.84,17.1) ; C7.2 35.71,19.54 v1(35.59,19.67)
  vias: v1(28.18,10.12) v1(28.91,10.13) v1(29.61,10.13) v1(30.31,10.13) v1(31.01,10.13)
VDD_SYSTEM: length 26.3
  Top w0.254: 33.63,24.53 v1(34.3,23.86) 34.93,23.23 ; 33.63,24.53 v1(33.61,24.5) 33.32,24.22 U1.J10 v1(34.25,23.27) U1.L12 34.61,22.92 34.93,23.23 ; 33.63,24.53 U1.H10 ; 34.93,23.23 U1.L13 35.47,22.92 v1(35.6,23.05) 35.77,23.05 U1.L14 ; U1.J11 U1.K10 U1.L11 U1.K12 ; C58.1 C56.1 ; C56.1 18.04,8.1 L3.2 ; C56.1 16.22,8.03 C55.2 15.26,6.08 R26.1 ; U1.L10 v1(33.67,23.29) U1.J12
  POWER.Cu w0.254: v1(33.61,24.5) 33.61,25.02 32.81,25.82 31.47,25.82 30.14,27.14 v1(29.12,27.14)
  Bottom w0.254: C21.2 33.27,24.5 v1(33.61,24.5) ; C22.2 33.38,23.29 v1(33.67,23.29) ; v1(34.3,23.86) 34.3,24.35 ; R28.1 30.12,26.65 29.63,27.14 v1(29.12,27.14) ; v1(35.6,23.05) 35.6,23.05 35.6,23.51 ; C25.2 34.25,23.14 v1(34.25,23.27)
  vias: v1(16.31,10.73) v1(16.31,10.09) v1(16.95,10.09) v1(17.01,10.73) v1(17.62,10.09) v1(17.72,10.73) v1(18.43,10.73) v1(18.38,10.09) v1(19.14,10.73) v1(19.14,10.09)
/DRAM/SA0: length 29.9
  Top w0.114: U1.T17 37.52,19.34 37.52,19.34 37.02,19.34 36.87,19.19 36.87,15.59 36.37,15.09 v1(35.42,15.09) ; v1(35.7,12.29) 37.94,12.29 38.93,11.3 46.79,11.3 49.29,13.8 49.29,18.49 48.88,18.9 DU1.N3
  Bottom w0.114: v1(35.7,12.29) 35.33,12.67 35.33,14.99 v1(35.42,15.09)
/DRAM/SA1: length 22.1
  Top w0.114: DU1.P7 51.9,18.1 v1(51.67,18.34) ; U1.U18 v1(39.13,19.65)
  Bottom w0.114: v1(39.13,19.65) 40.2,19.65 40.39,19.46 arc(40.42,19.37) 40.39,19.28 arc(40.35,19.19) 40.39,19.11 40.44,19.06 arc(40.52,19.02) 40.61,19.06 40.91,19.35 arc(41.02,19.4) 41.13,19.35 arc(41.18,19.24) 41.13,19.13 40.84,18.83 arc(40.8,18.75) 40.84,18.66 40.88,18.61 arc(40.97,18.57) 41.06,18.61 41.32,18.87 arc(41.43,18.92) 41.55,18.87 arc(41.59,18.76) 41.55,18.64 41.49,18.59 arc(41.44,18.47) 41.49,18.36 41.61,18.24 41.61,17.87 42.44,17.04 43.07,17.04 arc(43.18,17) 43.23,16.88 43.23,16.5 arc(43.27,16.39) 43.38,16.34 arc(43.5,16.39) 43.54,16.5 43.54,16.88 arc(43.59,17) 43.7,17.04 44.79,17.04 44.89,17.15 arc(45.01,17.2) 45.12,17.15 45.18,17.09 arc(45.29,17.04) 45.4,17.09 arc(45.45,17.2) 45.4,17.32 45.34,17.37 arc(45.3,17.49) 45.34,17.6 arc(45.45,17.64) 45.56,17.6 arc(45.66,17.55) 45.77,17.6 45.78,17.61 arc(45.82,17.72) 45.78,17.82 arc(45.74,17.93) 45.78,18.03 46.38,18.63 46.53,18.63 arc(46.6,18.66) 46.63,18.73 arc(46.66,18.8) 46.73,18.83 46.85,18.83 arc(46.92,18.8) 46.95,18.73 arc(46.98,18.66) 47.05,18.63 47.17,18.63 arc(47.24,18.66) 47.27,18.73 arc(47.3,18.8) 47.37,18.83 47.48,18.83 arc(47.55,18.8) 47.58,18.73 arc(47.61,18.66) 47.68,18.63 47.8,18.63 arc(47.87,18.66) 47.9,18.73 arc(47.93,18.8) 48,18.83 48.12,18.83 arc(48.19,18.8) 48.22,18.73 arc(48.25,18.66) 48.32,18.63 48.7,18.63 arc(48.81,18.58) 48.86,18.47 48.86,18.39 arc(48.91,18.28) 49.02,18.23 arc(49.13,18.28) 49.18,18.39 49.18,18.47 arc(49.22,18.58) 49.34,18.63 49.41,18.63 arc(49.53,18.58) 49.57,18.47 49.57,18.34 arc(49.62,18.23) 49.73,18.18 arc(49.84,18.23) 49.89,18.34 49.89,18.47 arc(49.94,18.58) 50.05,18.63 arc(50.15,18.59) 50.2,18.48 arc(50.24,18.37) 50.35,18.33 50.37,18.33 arc(50.47,18.37) 50.52,18.48 arc(50.56,18.59) 50.67,18.63 51.37,18.63 v1(51.67,18.34)
/DRAM/SA2: length 29.5
  Top w0.114: v1(38.31,18.19) 38.49,18.37 U1.V19 ; DU1.P3 48.67,18.1 48.33,18.44 48.33,19.17 48.47,19.31 49.08,19.31 49.63,18.76 49.63,13.69 46.9,10.95 38.69,10.95 v1(38.03,11.61)
  Bottom w0.114: v1(38.31,18.19) 38.31,17.35 36.81,15.86 36.81,12.83 v1(38.03,11.61)
/DRAM/SA3: length 20.8
  Top w0.114: DU1.N2 47.81,18.9 47.62,19.09 47.62,19.09 47.41,19.31 46.79,19.31 46.18,18.7 46.18,16.22 46.9,15.49 46.9,14.64 45.71,13.45 38.84,13.45 v1(38.48,13.8) ; v1(39.33,17.91) 39.34,17.91 U1.V20
  Bottom w0.114: v1(38.48,13.8) 38.37,13.92 38.37,16.51 39.33,17.47 v1(39.33,17.91)
/DRAM/SA4: length 22.6
  Top w0.114: v1(52.35,17.73) 52.71,18.09 DU1.P8 ; v1(44.02,16.63) 43.88,16.63 43.61,16.89 arc(43.58,16.98) 43.61,17.07 arc(43.65,17.16) 43.61,17.25 43.57,17.3 arc(43.48,17.33) 43.39,17.3 arc(43.3,17.26) 43.21,17.3 arc(43.17,17.41) 43.21,17.52 43.48,17.79 arc(43.53,17.9) 43.48,18.02 arc(43.37,18.06) 43.26,18.02 42.99,17.74 arc(42.88,17.7) 42.76,17.74 42.14,18.37 U1.V21
  Bottom w0.114: v1(44.02,16.63) 45.63,16.63 45.98,16.27 45.99,16.27 arc(46.1,16.23) 46.21,16.27 arc(46.26,16.38) 46.21,16.5 45.8,16.91 arc(45.75,17.02) 45.8,17.13 46.02,17.35 arc(46.13,17.4) 46.25,17.35 46.31,17.3 arc(46.42,17.25) 46.53,17.3 arc(46.58,17.41) 46.53,17.52 46.25,17.8 arc(46.21,17.9) 46.25,18.01 46.27,18.02 arc(46.37,18.07) 46.48,18.02 arc(46.58,17.98) 46.69,18.02 46.94,18.27 48.43,18.27 49.05,17.65 49.24,17.65 arc(49.35,17.6) 49.4,17.49 49.4,17.16 arc(49.45,17.05) 49.56,17 arc(49.67,17.05) 49.72,17.16 49.72,17.78 arc(49.75,17.86) 49.84,17.9 49.91,17.9 arc(50,17.86) 50.03,17.78 50.03,17.46 arc(50.08,17.35) 50.19,17.3 arc(50.3,17.35) 50.35,17.46 50.35,17.84 arc(50.4,17.95) 50.51,18 arc(50.62,17.95) 50.67,17.84 50.67,17.46 arc(50.72,17.35) 50.83,17.3 arc(50.94,17.35) 50.99,17.46 50.99,18.09 arc(51.03,18.2) 51.15,18.25 arc(51.26,18.2) 51.3,18.09 51.3,17.53 arc(51.34,17.44) 51.43,17.4 51.5,17.4 arc(51.58,17.44) 51.62,17.53 arc(51.66,17.61) 51.75,17.65 52.27,17.65 v1(52.35,17.73)
